# KiCad board armory.kicad_pcb (continued)
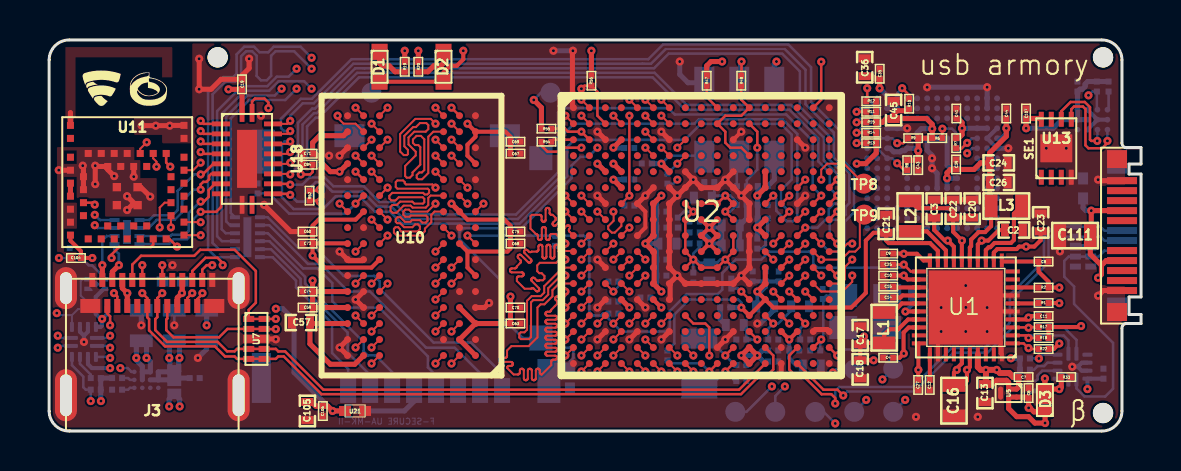
[diagram p0: board, top side]
## Routing (per net, layer and track width the routed paths; a pad name or vN(x,y) marks a point on that pad's centre or on a via; arc(x,y) is an arc through that point) (continued)
/DDR/DRAM_RESET_B: length 17.2
  TOP w0.1: U2.G4 v1(29.03,11.78)
  TOP w0.127: v1(29.03,11.78) v1(29.03,15.78) ; U10.T2 v1(20.13,16.18)
  SIGNAL_1 w0.127: 20.16,16.15 v1(20.13,16.18) 22.64,16.18 25.05,13.77 26.82,13.77 27.03,13.98 27.03,15.13 27.28,15.38 28.63,15.38 v1(29.03,15.78)
  BOTTOM w0.127: v1(29.03,11.78) 28.78,11.53 R50.1
/DDR/DRAM_SDBA0: length 34
  TOP w0.1: U10.M2 v1(20.93,12.18) ; U2.M1 25.51,7.38 25.18,7.05 25.18,6.74 24.78,6.34 24.59,6.34 24.43,6.18 24.43,4.69 23.99,4.25 23.13,4.25 22.91,4.03 22.91,3.76 22.91,3.74 22.9,3.72 22.89,3.7 22.87,3.68 22.85,3.67 22.83,3.66 22.81,3.66 22.72,3.66 22.7,3.66 22.68,3.65 22.66,3.64 22.64,3.62 22.63,3.6 22.62,3.58 22.62,3.56 22.62,3.54 22.63,3.52 22.64,3.5 22.66,3.48 22.68,3.47 22.7,3.46 22.72,3.46 23.1,3.46 23.12,3.46 23.14,3.45 23.16,3.44 23.18,3.42 23.19,3.4 23.2,3.38 23.2,3.36 23.2,3.34 23.19,3.32 23.18,3.3 23.16,3.28 23.14,3.27 23.12,3.26 23.1,3.26 23.01,3.26 22.99,3.26 22.97,3.25 22.95,3.24 22.93,3.22 22.92,3.2 22.91,3.18 22.91,3.16 23.24,2.83 23.45,2.83 23.47,2.83 23.49,2.84 23.51,2.85 23.53,2.87 23.54,2.89 23.55,2.91 23.55,2.93 23.55,3.02 23.55,3.04 23.56,3.06 23.57,3.08 23.59,3.1 23.61,3.11 23.63,3.12 23.65,3.12 23.67,3.12 23.69,3.11 23.71,3.1 23.73,3.08 23.74,3.06 23.75,3.04 23.75,3.02 23.75,2.64 23.75,2.62 23.76,2.6 23.77,2.58 23.79,2.56 23.81,2.55 23.83,2.54 23.85,2.54 23.87,2.54 23.89,2.55 23.91,2.56 23.93,2.58 23.94,2.6 23.95,2.62 23.95,2.64 23.95,3.02 23.95,3.04 23.96,3.06 23.97,3.08 23.99,3.1 24.01,3.11 24.03,3.12 24.05,3.12 24.07,3.12 24.09,3.11 24.11,3.1 24.13,3.08 24.14,3.06 24.15,3.04 24.15,3.02 24.15,2.64 24.15,2.62 24.16,2.6 24.17,2.58 24.19,2.56 24.21,2.55 24.23,2.54 24.25,2.54 24.27,2.54 24.29,2.55 24.31,2.56 24.33,2.58 24.34,2.6 24.35,2.62 24.35,2.64 24.35,3.02 24.35,3.04 24.36,3.06 24.37,3.08 24.39,3.1 24.41,3.11 24.43,3.12 24.45,3.12 24.47,3.12 24.49,3.11 24.51,3.1 24.53,3.08 24.54,3.06 24.55,3.04 24.55,3.02 24.55,2.93 24.55,2.91 24.56,2.89 24.57,2.87 24.59,2.85 24.61,2.84 24.63,2.83 24.65,2.83 25.12,3.3 25.12,3.47 25.12,3.49 25.13,3.51 25.14,3.53 25.16,3.55 25.18,3.56 25.2,3.57 25.22,3.57 25.31,3.57 25.33,3.57 25.35,3.58 25.37,3.59 25.39,3.61 25.4,3.63 25.41,3.65 25.41,3.67 25.41,3.69 25.4,3.71 25.39,3.73 25.37,3.75 25.35,3.76 25.33,3.77 25.31,3.77 24.93,3.77 24.91,3.77 24.89,3.78 24.87,3.79 24.85,3.81 24.84,3.83 24.83,3.85 24.83,3.87 24.83,3.89 24.84,3.91 24.85,3.93 24.87,3.95 24.89,3.96 24.91,3.97 24.93,3.97 25.31,3.97 25.33,3.97 25.35,3.98 25.37,3.99 25.39,4.01 25.4,4.03 25.41,4.05 25.41,4.07 25.41,4.09 25.4,4.11 25.39,4.13 25.37,4.15 25.35,4.16 25.33,4.17 25.31,4.17 24.93,4.17 24.91,4.17 24.89,4.18 24.87,4.19 24.85,4.21 24.84,4.23 24.83,4.25 24.83,4.27 24.83,4.29 24.84,4.31 24.85,4.33 24.87,4.35 24.89,4.36 24.91,4.37 24.93,4.37 25.31,4.37 25.33,4.37 25.35,4.38 25.37,4.39 25.39,4.41 25.4,4.43 25.41,4.45 25.41,4.47 25.41,4.49 25.4,4.51 25.39,4.53 25.37,4.55 25.35,4.56 25.33,4.57 25.31,4.57 24.93,4.57 24.91,4.57 24.89,4.58 24.87,4.59 24.85,4.61 24.84,4.63 24.83,4.65 24.83,4.67 24.83,4.69 24.84,4.71 24.85,4.73 24.87,4.75 24.89,4.76 24.91,4.77 24.93,4.77 25.31,4.77 25.33,4.77 25.35,4.78 25.37,4.79 25.39,4.81 25.4,4.83 25.41,4.85 25.41,4.87 25.41,4.89 25.4,4.91 25.39,4.93 25.37,4.95 25.35,4.96 25.33,4.97 25.31,4.97 24.93,4.97 24.91,4.97 24.89,4.98 24.87,4.99 24.85,5.01 24.84,5.03 24.83,5.05 24.83,5.07 24.83,5.09 24.84,5.11 24.85,5.13 24.87,5.15 24.89,5.16 24.91,5.17 24.93,5.17 25.31,5.17 25.33,5.17 25.35,5.18 25.37,5.19 25.39,5.21 25.4,5.23 25.41,5.25 25.41,5.27 25.41,5.29 25.4,5.31 25.39,5.33 25.37,5.35 25.35,5.36 25.33,5.37 25.31,5.37 24.93,5.37 24.91,5.37 24.89,5.38 24.87,5.39 24.85,5.41 24.84,5.43 24.83,5.45 24.83,5.47 24.83,5.49 24.84,5.51 24.85,5.53 24.87,5.55 24.89,5.56 24.91,5.57 24.93,5.57 25.31,5.57 25.33,5.57 25.35,5.58 25.37,5.59 25.39,5.61 25.4,5.63 25.41,5.65 25.41,5.67 25.41,5.69 25.4,5.71 25.39,5.73 25.37,5.75 25.35,5.76 25.33,5.77 25.31,5.77 24.93,5.77 24.91,5.77 24.89,5.78 24.87,5.79 24.85,5.81 24.84,5.83 24.83,5.85 24.83,5.87 24.83,5.89 24.84,5.91 24.85,5.93 24.87,5.95 24.89,5.96 24.91,5.97 24.93,5.97 25.02,5.97 25.04,5.97 25.06,5.98 25.08,5.99 25.1,6.01 25.11,6.03 25.12,6.05 25.12,6.07 25.41,6.36 25.42,6.37 25.43,6.39 25.44,6.42 25.44,6.44 25.43,6.46 25.42,6.48 25.41,6.5 25.34,6.56 25.33,6.58 25.32,6.6 25.32,6.62 25.32,6.64 25.32,6.67 25.33,6.69 25.34,6.7 25.36,6.72 25.38,6.73 25.4,6.73 25.43,6.73 25.45,6.73 25.47,6.72 25.49,6.7 25.55,6.64 25.57,6.63 25.59,6.62 25.61,6.61 25.63,6.61 25.65,6.62 25.67,6.63 25.69,6.64 25.83,6.78 v1(25.83,6.98)
  SIGNAL_2 w0.1: v1(20.93,12.18) 21.96,12.18 22.61,11.53 22.61,9.35 22.16,8.9 22.16,8.49 22.29,8.36 23.33,8.36 23.48,8.21 23.48,6.65 23.62,6.51 24.21,6.51 24.68,6.98 v1(25.83,6.98)
/DDR/DRAM_SDBA1: length 33.3
  TOP w0.1: U10.N8 v1(15.33,13.78) ; v1(25.83,10.98) U2.H1
  SIGNAL_2 w0.1: v1(25.83,10.98) 25.56,10.98 25.13,11.41 25.13,12.75 24.33,13.56 24.33,13.98 24.33,14.01 24.34,14.03 24.35,14.05 24.36,14.06 24.38,14.07 24.4,14.08 24.43,14.08 24.52,14.08 24.54,14.09 24.56,14.09 24.58,14.11 24.6,14.12 24.61,14.14 24.62,14.16 24.62,14.18 24.62,14.21 24.61,14.23 24.6,14.25 24.58,14.26 24.56,14.27 24.54,14.28 24.52,14.28 24.43,14.28 24.4,14.29 24.38,14.29 24.36,14.31 24.35,14.32 24.34,14.34 24.33,14.36 24.33,14.38 24.33,14.41 24.34,14.43 24.35,14.45 24.36,14.46 24.38,14.47 24.4,14.48 24.43,14.48 24.52,14.48 24.54,14.49 24.56,14.49 24.58,14.51 24.6,14.52 24.61,14.54 24.62,14.56 24.62,14.58 24.62,14.61 24.61,14.63 24.6,14.65 24.58,14.66 24.56,14.67 24.54,14.68 24.52,14.68 24.43,14.68 24.4,14.69 24.38,14.69 24.36,14.71 24.35,14.72 24.34,14.74 24.33,14.76 24.33,14.78 24.33,14.81 24.34,14.83 24.35,14.85 24.36,14.86 24.38,14.87 24.4,14.88 24.43,14.88 24.52,14.88 24.54,14.89 24.56,14.89 24.58,14.91 24.6,14.92 24.61,14.94 24.62,14.96 24.62,14.98 24.62,15.01 24.61,15.03 24.6,15.05 24.58,15.06 24.56,15.07 24.54,15.08 24.52,15.08 24.43,15.08 24.4,15.09 24.38,15.09 24.36,15.11 24.35,15.12 24.34,15.14 24.33,15.16 24.33,15.18 24.33,15.38 24.2,15.51 24.19,15.52 24.18,15.54 24.17,15.57 24.17,15.59 24.18,15.61 24.19,15.63 24.2,15.65 24.37,15.82 24.39,15.84 24.4,15.86 24.4,15.88 24.4,15.9 24.4,15.92 24.39,15.94 24.37,15.96 24.36,15.98 24.34,15.99 24.32,15.99 24.29,15.99 24.27,15.99 24.25,15.98 24.23,15.96 23.89,15.62 23.87,15.6 23.85,15.59 23.83,15.59 23.81,15.59 23.79,15.59 23.77,15.6 23.75,15.62 23.73,15.64 23.72,15.66 23.72,15.68 23.72,15.7 23.72,15.72 23.73,15.74 23.75,15.76 24.09,16.1 24.11,16.12 24.12,16.14 24.12,16.16 24.12,16.19 24.12,16.21 24.11,16.23 24.09,16.25 24.07,16.26 24.05,16.27 24.03,16.27 24.01,16.27 23.99,16.27 23.97,16.26 23.95,16.25 23.61,15.9 23.59,15.89 23.57,15.88 23.55,15.87 23.52,15.87 23.5,15.88 23.48,15.89 23.46,15.9 23.45,15.92 23.44,15.94 23.44,15.96 23.44,15.98 23.44,16 23.45,16.02 23.46,16.04 23.81,16.39 23.82,16.4 23.83,16.42 23.84,16.45 23.84,16.47 23.83,16.49 23.82,16.51 23.81,16.53 23.79,16.54 23.77,16.55 23.75,16.56 23.73,16.56 23.71,16.55 23.69,16.54 23.67,16.53 23.32,16.18 23.31,16.17 23.29,16.16 23.26,16.15 23.24,16.15 23.22,16.16 23.2,16.17 23.18,16.18 23.17,16.2 23.16,16.22 23.15,16.24 23.15,16.27 23.16,16.29 23.17,16.31 23.18,16.32 23.39,16.53 23.4,16.55 23.41,16.57 23.41,16.59 23.41,16.61 23.41,16.63 23.4,16.65 23.39,16.67 23.37,16.68 23.35,16.69 23.33,16.7 23.3,16.7 23.28,16.69 23.26,16.68 23.24,16.67 23.04,16.47 23.02,16.45 23,16.44 22.98,16.44 22.96,16.44 22.94,16.44 22.92,16.45 22.9,16.47 22.89,16.48 22.88,16.5 22.87,16.53 22.87,16.55 22.88,16.57 22.89,16.59 22.9,16.61 22.93,16.64 22.94,16.66 22.95,16.68 22.96,16.7 22.96,16.72 22.95,16.74 22.94,16.76 22.93,16.78 21.83,16.78 21.82,16.78 21.81,16.78 21.8,16.79 21.79,16.8 21.78,16.81 21.78,16.82 21.78,16.84 21.78,16.85 21.77,16.86 21.76,16.87 21.75,16.88 21.74,16.88 21.73,16.88 21.63,16.88 21.62,16.88 21.61,16.88 21.6,16.87 21.59,16.86 21.58,16.85 21.58,16.84 21.58,16.82 21.58,16.81 21.57,16.8 21.56,16.79 21.55,16.78 21.54,16.78 21.53,16.78 21.51,16.78 21.49,16.79 21.47,16.8 21.45,16.82 21.44,16.84 21.43,16.86 21.43,16.88 21.43,17.07 21.43,17.1 21.42,17.12 21.41,17.14 21.39,17.15 21.37,17.16 21.35,17.17 21.33,17.17 21.31,17.17 21.29,17.16 21.27,17.15 21.25,17.14 21.24,17.12 21.23,17.1 21.23,17.07 21.23,16.88 21.23,16.86 21.22,16.84 21.21,16.82 21.19,16.8 21.17,16.79 21.15,16.78 21.13,16.78 21.11,16.78 21.09,16.79 21.07,16.8 21.05,16.82 21.04,16.84 21.03,16.86 21.03,16.88 21.03,17.07 21.03,17.1 21.02,17.12 21.01,17.14 20.99,17.15 20.97,17.16 20.95,17.17 20.93,17.17 20.91,17.17 20.89,17.16 20.87,17.15 20.85,17.14 20.84,17.12 20.83,17.1 20.83,17.07 20.83,16.88 20.83,16.86 20.82,16.84 20.81,16.82 20.79,16.8 20.77,16.79 20.75,16.78 20.73,16.78 20.71,16.78 20.69,16.79 20.67,16.8 20.65,16.82 20.64,16.84 20.63,16.86 20.63,16.88 20.63,17.07 20.63,17.1 20.62,17.12 20.61,17.14 20.59,17.15 20.57,17.16 20.55,17.17 20.53,17.17 20.51,17.17 20.49,17.16 20.47,17.15 20.45,17.14 20.44,17.12 20.43,17.1 20.43,17.07 20.43,16.88 20.43,16.86 20.42,16.84 20.41,16.82 20.39,16.8 20.37,16.79 20.35,16.78 20.33,16.78 20.31,16.78 20.29,16.79 20.27,16.8 20.25,16.82 20.24,16.84 20.23,16.86 20.23,16.88 20.23,17.07 20.23,17.1 20.22,17.12 20.21,17.14 20.19,17.15 20.17,17.16 20.15,17.17 20.13,17.17 20.11,17.17 20.09,17.16 20.07,17.15 20.05,17.14 20.04,17.12 20.03,17.1 20.03,17.07 20.03,16.88 20.03,16.86 20.02,16.84 20.01,16.82 19.99,16.8 19.97,16.79 19.95,16.78 19.93,16.78 19.91,16.78 19.89,16.79 19.87,16.8 19.85,16.82 19.84,16.84 19.83,16.86 19.83,16.88 19.83,17.07 19.83,17.1 19.82,17.12 19.81,17.14 19.79,17.15 19.77,17.16 19.75,17.17 19.73,17.17 19.71,17.17 19.69,17.16 19.67,17.15 19.65,17.14 19.64,17.12 19.63,17.1 19.63,17.07 19.63,16.88 19.63,16.86 19.62,16.84 19.61,16.82 19.59,16.8 19.57,16.79 19.55,16.78 19.53,16.78 19.51,16.78 19.49,16.79 19.47,16.8 19.45,16.82 19.44,16.84 19.43,16.86 19.43,16.88 19.43,17.07 19.43,17.1 19.42,17.12 19.41,17.14 19.39,17.15 19.37,17.16 19.35,17.17 19.33,17.17 19.31,17.17 19.29,17.16 19.27,17.15 19.25,17.14 19.24,17.12 19.23,17.1 19.23,17.07 19.23,16.64 19.23,16.61 19.22,16.59 19.21,16.57 19.19,16.56 19.17,16.55 19.15,16.54 19.13,16.54 19.11,16.54 19.09,16.55 19.07,16.56 19.05,16.57 19.04,16.59 19.03,16.61 19.03,16.64 19.03,17.07 19.03,17.1 19.02,17.12 19.01,17.14 18.99,17.15 18.97,17.16 18.95,17.17 18.93,17.17 18.91,17.17 18.89,17.16 18.87,17.15 18.85,17.14 18.84,17.12 18.83,17.1 18.83,17.07 18.83,16.59 18.83,16.56 18.82,16.54 18.81,16.52 18.79,16.51 18.77,16.5 18.75,16.49 18.73,16.49 18.71,16.49 18.69,16.5 18.67,16.51 18.65,16.52 18.64,16.54 18.63,16.56 18.63,16.59 18.63,16.68 18.63,16.7 18.62,16.72 18.61,16.74 18.59,16.76 18.57,16.77 18.55,16.78 18.53,16.78 18.28,16.78 18.2,16.7 18.18,16.68 18.17,16.66 18.17,16.64 18.17,16.61 18.17,16.59 18.18,16.57 18.2,16.55 18.37,16.38 18.38,16.36 18.39,16.34 18.4,16.32 18.4,16.3 18.39,16.28 18.38,16.26 18.37,16.24 18.35,16.23 18.33,16.22 18.31,16.21 18.29,16.21 18.26,16.22 18.24,16.23 18.23,16.24 17.74,16.73 17.72,16.74 17.7,16.75 17.68,16.76 17.66,16.76 17.64,16.75 17.62,16.74 17.6,16.73 17.59,16.71 17.58,16.69 17.57,16.67 17.57,16.64 17.58,16.62 17.59,16.6 17.6,16.59 18.09,16.1 18.1,16.08 18.11,16.06 18.11,16.04 18.11,16.02 18.11,16 18.1,15.98 18.09,15.96 18.07,15.94 18.05,15.93 18.03,15.93 18,15.93 17.98,15.93 17.96,15.94 17.94,15.96 17.77,16.13 17.75,16.14 17.73,16.15 17.71,16.16 17.69,16.16 17.67,16.15 17.65,16.14 17.63,16.13 17.63,15.83 17.33,15.53 17.33,15.38 17.33,15.36 17.32,15.33 17.31,15.32 17.29,15.3 17.28,15.29 17.25,15.28 17.21,15.28 17.19,15.27 17.17,15.26 17.16,15.24 17.15,15.23 17.14,15.2 17.14,15.18 17.14,15.18 17.14,15.16 17.15,15.13 17.16,15.12 17.17,15.1 17.19,15.09 17.21,15.08 17.23,15.08 17.67,15.08 17.7,15.08 17.72,15.07 17.74,15.06 17.75,15.04 17.76,15.02 17.77,15 17.77,14.98 17.77,14.96 17.76,14.94 17.75,14.92 17.74,14.9 17.72,14.89 17.7,14.88 17.67,14.88 17.43,14.88 17.41,14.88 17.39,14.87 17.37,14.86 17.35,14.84 17.34,14.82 17.33,14.8 17.33,14.78 17.33,14.76 17.34,14.74 17.35,14.72 17.37,14.7 17.39,14.69 17.41,14.68 17.43,14.68 17.67,14.68 17.7,14.68 17.72,14.67 17.74,14.66 17.75,14.64 17.76,14.62 17.77,14.6 17.77,14.58 17.77,14.56 17.76,14.54 17.75,14.52 17.74,14.5 17.72,14.49 17.7,14.48 17.67,14.48 17.43,14.48 17.41,14.48 17.39,14.47 17.37,14.46 17.35,14.44 17.34,14.42 17.33,14.4 17.33,14.38 17.13,14.18 16.78,14.18 16.77,14.18 16.76,14.18 16.75,14.19 16.75,14.2 16.74,14.21 16.74,14.22 16.73,14.24 16.73,14.25 16.72,14.26 16.72,14.27 16.71,14.28 16.7,14.28 16.69,14.28 16.59,14.28 16.57,14.28 16.56,14.28 16.55,14.27 16.55,14.26 16.54,14.25 16.54,14.24 16.53,14.23 16.53,14.18 16.53,14.18 16.53,14.11 16.53,14.09 16.52,14.08 16.52,14.06 16.5,14.05 16.49,14.04 16.48,14.04 16.46,14.04 16.4,14.04 16.39,14.04 16.37,14.04 16.36,14.05 16.35,14.06 16.34,14.08 16.33,14.09 16.33,14.12 16.32,14.14 16.32,14.15 16.3,14.16 16.29,14.17 16.28,14.18 15.73,14.18 v1(15.33,13.78)
/DDR/DRAM_SDBA2: length 34
  TOP w0.1: v1(19.33,12.98) U10.M3 ; U2.K2 v1(26.63,8.58)
  SIGNAL_2 w0.1: v1(26.63,8.58) 26.33,8.58 25.93,8.18 25.72,8.18 25.47,7.93 25.47,7.57 25.28,7.38 24.51,7.38 24.2,7.07 23.97,7.07 23.88,7.16 23.88,7.34 24.01,7.47 24.24,7.47 24.35,7.58 25.14,7.58 25.25,7.69 25.25,7.82 25.17,7.9 24.99,7.9 24.87,7.78 24.27,7.78 24.16,7.67 24,7.67 23.88,7.79 23.88,7.98 23.98,8.08 24.19,8.08 24.28,7.99 24.79,7.99 24.9,8.1 25.13,8.1 25.26,8.23 25.26,8.36 25.16,8.46 24.88,8.46 24.7,8.28 23.98,8.28 23.8,8.45 23.8,8.57 23.89,8.66 24.02,8.66 24.2,8.48 24.61,8.48 24.78,8.65 24.78,8.81 24.66,8.93 24.52,8.93 24.38,8.79 24.19,8.79 24.1,8.88 23.82,8.88 23.7,8.76 23.12,8.76 23,8.88 23,9.01 23.1,9.11 23.25,9.11 23.39,8.97 23.61,8.97 23.73,9.09 24.18,9.09 24.23,9.04 24.34,9.04 24.47,9.17 24.47,9.31 24.36,9.42 24.18,9.42 24.06,9.3 23.65,9.3 23.6,9.25 23.4,9.25 23.33,9.32 23.1,9.32 23.01,9.41 23.01,9.54 23.12,9.65 23.23,9.65 23.38,9.5 23.91,9.5 24.02,9.61 24.02,9.76 23.93,9.85 23.76,9.85 23.63,9.72 23.47,9.72 23.33,9.86 23.17,9.86 23.01,10.02 23.01,11.72 22.15,12.58 21.32,12.58 21.13,12.77 20.27,12.77 19.89,12.39 19.89,11.73 19.77,11.61 19.77,11.12 19.61,10.96 18.72,10.96 18.6,10.84 18.3,10.84 18.13,11.01 17.87,11.01 17.48,11.4 17.48,11.62 17.89,12.03 17.89,12.31 18.05,12.47 18.05,12.95 18.28,13.18 18.49,13.18 18.69,12.98 v1(19.33,12.98)
/DDR/DRAM_SDCKE0: length 34.6
  TOP w0.1: U2.M3 v1(28.23,6.98) ; v1(14.53,11.38) U10.K9
  SIGNAL_2 w0.1: v1(14.53,11.38) 14.53,9.62 14.93,9.22 14.93,8.5 14.33,7.9 14.33,6.08 14.33,6.05 14.34,6.03 14.35,6.01 14.37,6 14.39,5.99 14.41,5.98 14.45,5.97 14.47,5.97 14.49,5.95 14.51,5.94 14.52,5.92 14.53,5.9 14.53,5.88 14.53,5.85 14.52,5.83 14.51,5.81 14.49,5.8 14.47,5.79 14.45,5.78 14.41,5.77 14.39,5.77 14.37,5.75 14.35,5.74 14.34,5.72 14.33,5.7 14.33,5.68 14.33,5.63 14.54,5.42 14.56,5.4 14.58,5.39 14.6,5.39 14.62,5.39 14.64,5.39 14.66,5.4 14.7,5.43 14.72,5.44 14.74,5.44 14.76,5.44 14.78,5.44 14.81,5.43 14.82,5.42 14.84,5.4 14.85,5.38 14.85,5.36 14.85,5.33 14.85,5.31 14.84,5.29 14.81,5.26 14.8,5.24 14.79,5.21 14.79,5.19 14.8,5.17 14.81,5.15 14.82,5.13 14.84,5.12 14.86,5.11 14.88,5.1 14.9,5.1 14.93,5.11 14.95,5.12 14.98,5.15 15,5.16 15.02,5.16 15.05,5.16 15.07,5.16 15.09,5.15 15.11,5.13 15.12,5.11 15.13,5.09 15.13,5.07 15.13,5.05 15.13,5.03 15.12,5.01 15.09,4.97 15.08,4.95 15.08,4.93 15.08,4.91 15.08,4.89 15.09,4.87 15.11,4.85 15.62,4.85 15.89,4.58 16.45,4.58 16.77,4.26 16.77,3.78 16.97,3.58 16.99,3.56 17.01,3.55 17.03,3.55 17.06,3.55 17.08,3.55 17.1,3.56 17.13,3.59 17.15,3.6 17.18,3.6 17.2,3.6 17.22,3.6 17.24,3.59 17.26,3.58 17.27,3.56 17.28,3.54 17.29,3.52 17.29,3.49 17.28,3.47 17.27,3.45 17.24,3.42 17.23,3.4 17.23,3.37 17.23,3.35 17.23,3.33 17.24,3.31 17.26,3.29 17.27,3.28 17.3,3.27 17.32,3.26 17.34,3.26 17.36,3.27 17.38,3.28 17.42,3.31 17.44,3.32 17.46,3.32 17.48,3.32 17.5,3.32 17.52,3.31 17.54,3.29 17.55,3.27 17.56,3.25 17.57,3.23 17.57,3.21 17.56,3.19 17.55,3.17 17.53,3.13 17.52,3.11 17.51,3.09 17.51,3.07 17.52,3.05 17.53,3.03 17.54,3.01 17.96,3.01 17.98,3.01 18,3.02 18.02,3.03 18.04,3.05 18.05,3.07 18.05,3.09 18.06,3.13 18.07,3.15 18.08,3.17 18.09,3.19 18.11,3.2 18.13,3.21 18.16,3.21 18.18,3.21 18.2,3.2 18.22,3.19 18.24,3.17 18.25,3.15 18.25,3.13 18.26,3.09 18.27,3.07 18.28,3.05 18.29,3.03 18.31,3.02 18.33,3.01 18.36,3.01 18.38,3.01 18.4,3.02 18.42,3.03 18.44,3.05 18.45,3.07 18.45,3.09 18.46,3.13 18.47,3.15 18.48,3.17 18.49,3.19 18.51,3.2 18.53,3.21 18.56,3.21 18.58,3.21 18.6,3.2 18.62,3.19 18.64,3.17 18.65,3.15 18.65,3.13 18.66,3.09 18.67,3.07 18.68,3.05 18.69,3.03 18.71,3.02 18.73,3.01 18.76,3.01 18.78,3.01 18.8,3.02 18.82,3.03 18.84,3.05 18.85,3.07 18.85,3.09 18.86,3.13 18.87,3.15 18.88,3.17 18.89,3.19 18.91,3.2 18.93,3.21 18.96,3.21 18.98,3.21 19,3.2 19.02,3.19 19.04,3.17 19.05,3.15 19.05,3.13 19.06,3.09 19.07,3.07 19.08,3.05 19.09,3.03 19.11,3.02 19.13,3.01 19.16,3.01 19.56,3.01 19.58,3.01 19.6,3.02 19.62,3.03 19.64,3.05 19.65,3.07 19.65,3.09 19.66,3.13 19.67,3.15 19.68,3.17 19.69,3.19 19.71,3.2 19.73,3.21 19.76,3.21 19.78,3.21 19.8,3.2 19.82,3.19 19.84,3.17 19.85,3.15 19.85,3.13 19.86,3.09 19.87,3.07 19.88,3.05 19.89,3.03 19.91,3.02 19.93,3.01 19.96,3.01 20.31,3.01 20.32,3.01 20.34,3.02 20.35,3.03 20.37,3.04 20.37,3.05 20.38,3.07 20.38,3.1 20.39,3.12 20.4,3.13 20.41,3.14 20.42,3.15 20.44,3.16 20.46,3.16 20.51,3.16 20.52,3.16 20.54,3.15 20.55,3.14 20.57,3.13 20.57,3.12 20.58,3.1 20.58,3.07 20.59,3.05 20.6,3.04 20.61,3.03 20.62,3.02 20.64,3.01 20.66,3.01 20.68,3.01 20.7,3.02 20.72,3.03 20.74,3.05 20.75,3.07 20.75,3.09 20.76,3.13 20.77,3.15 20.78,3.17 20.79,3.19 20.81,3.2 20.83,3.21 20.86,3.21 20.88,3.21 20.9,3.2 20.92,3.19 20.94,3.17 20.95,3.15 20.95,3.13 20.96,3.09 20.97,3.07 20.98,3.05 20.99,3.03 21.01,3.02 21.03,3.01 21.06,3.01 21.08,3.01 21.1,3.02 21.12,3.03 21.14,3.05 21.15,3.07 21.15,3.09 21.16,3.13 21.17,3.15 21.18,3.17 21.19,3.19 21.21,3.2 21.23,3.21 21.26,3.21 21.28,3.21 21.3,3.2 21.32,3.19 21.34,3.17 21.35,3.15 21.35,3.13 21.36,3.09 21.37,3.07 21.38,3.05 21.39,3.03 21.41,3.02 21.43,3.01 21.46,3.01 21.48,3.01 21.5,3.02 21.52,3.03 21.54,3.05 21.55,3.07 21.55,3.09 21.56,3.13 21.57,3.15 21.58,3.17 21.59,3.19 21.61,3.2 21.63,3.21 21.66,3.21 21.68,3.21 21.7,3.2 21.72,3.19 21.74,3.17 21.75,3.15 21.75,3.13 21.76,3.09 21.77,3.07 21.78,3.05 21.79,3.03 21.81,3.02 21.83,3.01 21.86,3.01 21.88,3.01 21.9,3.02 21.92,3.03 21.94,3.05 21.95,3.07 21.95,3.09 21.96,3.13 21.97,3.15 21.98,3.17 21.99,3.19 22.01,3.2 22.03,3.21 22.06,3.21 22.08,3.21 22.1,3.2 22.12,3.19 22.14,3.17 22.15,3.15 22.15,3.13 22.16,3.09 22.17,3.07 22.18,3.05 22.19,3.03 22.21,3.02 22.23,3.01 22.26,3.01 22.28,3.01 22.3,3.02 22.32,3.03 22.34,3.05 22.35,3.07 22.35,3.09 22.36,3.13 22.37,3.15 22.38,3.17 22.39,3.19 22.41,3.2 22.43,3.21 22.46,3.21 22.48,3.21 22.5,3.2 22.52,3.19 22.54,3.17 22.55,3.15 22.55,3.13 22.56,3.09 22.57,3.07 22.58,3.05 22.59,3.03 22.61,3.02 22.63,3.01 22.66,3.01 22.68,3.01 22.7,3.02 22.72,3.03 22.74,3.05 22.75,3.07 22.75,3.09 22.76,3.13 22.77,3.15 22.78,3.17 22.79,3.19 22.81,3.2 22.83,3.21 22.86,3.21 22.88,3.21 22.9,3.2 22.92,3.19 22.94,3.17 22.95,3.15 22.95,3.13 22.96,3.09 22.97,3.07 22.98,3.05 22.99,3.03 23.01,3.02 23.03,3.01 23.06,3.01 23.08,3.01 23.1,3.02 23.12,3.03 23.14,3.05 23.15,3.07 23.15,3.09 23.16,3.13 23.17,3.15 23.18,3.17 23.19,3.19 23.21,3.2 23.23,3.21 23.26,3.21 23.28,3.21 23.3,3.2 23.32,3.19 23.34,3.17 23.35,3.15 23.35,3.13 23.36,3.09 23.37,3.07 23.38,3.05 23.39,3.03 23.41,3.02 23.43,3.01 23.46,3.01 23.48,3.01 23.5,3.02 23.52,3.03 23.54,3.05 23.55,3.07 23.55,3.09 23.56,3.13 23.57,3.15 23.58,3.17 23.59,3.19 23.61,3.2 23.63,3.21 23.66,3.21 23.68,3.21 23.7,3.2 23.72,3.19 23.74,3.17 23.75,3.15 23.75,3.13 23.76,3.09 23.77,3.07 23.78,3.05 23.79,3.03 23.81,3.02 23.83,3.01 23.86,3.01 23.88,3.01 23.9,3.02 23.92,3.03 23.94,3.05 23.95,3.07 23.95,3.09 23.96,3.13 23.97,3.15 23.98,3.17 23.99,3.19 24.01,3.2 24.03,3.21 24.06,3.21 24.08,3.21 24.1,3.2 24.12,3.19 24.14,3.17 24.15,3.15 24.15,3.13 24.16,3.09 24.17,3.07 24.18,3.05 24.19,3.03 24.21,3.02 24.23,3.01 24.26,3.01 24.28,3.01 24.3,3.02 24.32,3.03 24.34,3.05 24.35,3.07 24.35,3.09 24.36,3.13 24.37,3.15 24.38,3.17 24.39,3.19 24.41,3.2 24.43,3.21 24.46,3.21 24.48,3.21 24.5,3.2 24.52,3.19 24.54,3.17 24.55,3.15 24.55,3.13 24.56,3.09 24.57,3.07 24.58,3.05 24.59,3.03 24.61,3.02 24.63,3.01 24.66,3.01 24.68,3.01 24.7,3.02 24.72,3.03 24.74,3.05 24.75,3.07 24.75,3.09 24.76,3.13 24.77,3.15 24.78,3.17 24.79,3.19 24.81,3.2 24.83,3.21 24.86,3.21 24.88,3.21 24.9,3.2 24.92,3.19 24.94,3.17 24.95,3.15 24.95,3.13 24.96,3.09 24.97,3.07 24.98,3.05 24.99,3.03 25.01,3.02 25.03,3.01 25.06,3.01 25.08,3.01 25.1,3.02 25.12,3.03 25.14,3.05 25.15,3.07 25.15,3.09 25.16,3.13 25.17,3.15 25.18,3.17 25.19,3.19 25.21,3.2 25.23,3.21 25.26,3.21 25.28,3.21 25.3,3.2 25.32,3.19 25.34,3.17 25.35,3.15 25.35,3.13 25.36,3.09 25.37,3.07 25.38,3.05 25.39,3.03 25.41,3.02 25.43,3.01 25.46,3.01 25.48,3.01 25.5,3.02 25.52,3.03 25.54,3.05 25.55,3.07 25.55,3.09 25.56,3.13 25.57,3.15 25.58,3.17 25.59,3.19 25.61,3.2 25.63,3.21 25.66,3.21 25.68,3.21 25.7,3.2 25.72,3.19 25.74,3.17 25.75,3.15 25.75,3.13 25.76,3.09 25.77,3.07 25.78,3.05 25.79,3.03 25.81,3.02 25.83,3.01 25.86,3.01 26.23,3.38 26.23,3.98 26.43,4.18 26.74,4.18 26.75,4.18 26.76,4.18 26.77,4.17 26.77,4.16 26.78,4.15 26.78,4.14 26.79,4.12 26.79,4.11 26.8,4.1 26.8,4.09 26.81,4.08 26.82,4.08 26.84,4.08 26.94,4.08 26.95,4.08 26.96,4.08 26.97,4.09 26.97,4.1 26.98,4.11 26.98,4.12 26.99,4.13 26.99,4.18 26.99,4.18 26.99,4.28 26.99,4.3 27,4.32 27.01,4.34 27.02,4.36 27.04,4.37 27.06,4.38 27.09,4.38 27.11,4.38 27.13,4.37 27.15,4.36 27.16,4.34 27.18,4.32 27.18,4.3 27.19,4.26 27.2,4.24 27.21,4.22 27.22,4.2 27.24,4.19 27.26,4.18 27.28,4.18 27.59,4.18 27.6,4.18 27.62,4.17 27.63,4.16 27.64,4.15 27.65,4.14 27.66,4.12 27.66,4.09 27.67,4.07 27.68,4.06 27.69,4.05 27.7,4.04 27.72,4.03 27.73,4.03 27.79,4.03 27.8,4.03 27.82,4.04 27.83,4.05 27.84,4.06 27.85,4.07 27.86,4.09 27.86,4.11 27.86,4.23 27.86,4.24 27.86,4.25 27.87,4.26 27.88,4.27 27.89,4.28 27.9,4.28 27.91,4.28 28.01,4.28 28.02,4.28 28.03,4.28 28.04,4.27 28.05,4.26 28.06,4.25 28.06,4.24 28.06,4.22 28.06,4.21 28.07,4.2 28.08,4.19 28.09,4.18 28.1,4.18 28.11,4.18 28.39,4.18 28.67,4.46 28.67,4.64 28.67,4.65 28.67,4.66 28.66,4.67 28.65,4.68 28.64,4.69 28.63,4.69 28.61,4.69 28.6,4.69 28.59,4.7 28.58,4.71 28.57,4.72 28.57,4.73 28.57,4.74 28.57,4.84 28.57,4.85 28.57,4.86 28.58,4.87 28.59,4.88 28.6,4.89 28.61,4.89 28.62,4.89 28.77,4.89 28.79,4.89 28.81,4.9 28.83,4.91 28.85,4.93 28.86,4.95 28.87,4.97 28.87,4.99 28.87,5.01 28.86,5.03 28.85,5.05 28.83,5.07 28.81,5.08 28.79,5.09 28.77,5.09 28.62,5.09 28.61,5.09 28.6,5.09 28.59,5.1 28.58,5.11 28.57,5.12 28.57,5.13 28.57,5.14 28.57,5.24 28.57,5.25 28.57,5.26 28.58,5.27 28.59,5.28 28.6,5.29 28.61,5.29 28.63,5.29 28.64,5.29 28.65,5.3 28.66,5.31 28.67,5.32 28.67,5.33 28.67,5.34 28.67,5.39 28.67,5.4 28.67,5.41 28.66,5.42 28.65,5.43 28.64,5.44 28.63,5.44 28.61,5.44 28.6,5.44 28.59,5.45 28.58,5.46 28.57,5.47 28.57,5.48 28.57,5.49 28.57,5.59 28.57,5.6 28.57,5.61 28.58,5.62 28.59,5.63 28.6,5.64 28.61,5.64 28.62,5.64 28.74,5.64 28.76,5.64 28.78,5.65 28.79,5.66 28.8,5.67 28.81,5.68 28.82,5.7 28.82,5.71 28.82,5.77 28.82,5.78 28.81,5.8 28.8,5.81 28.79,5.82 28.78,5.83 28.76,5.84 28.74,5.84 28.67,5.84 28.57,5.84 28.55,5.84 28.53,5.85 28.51,5.86 28.49,5.88 28.48,5.9 28.47,5.92 28.47,5.94 28.47,5.96 28.48,5.98 28.49,6 28.51,6.02 28.53,6.03 28.55,6.04 28.59,6.04 28.61,6.05 28.63,6.06 28.65,6.08 28.66,6.1 28.67,6.12 28.67,6.14 28.67,6.16 28.66,6.18 28.65,6.2 28.63,6.22 28.61,6.23 28.59,6.24 28.55,6.24 28.53,6.25 28.51,6.26 28.49,6.28 28.48,6.3 28.47,6.32 28.47,6.34 28.47,6.36 28.48,6.38 28.49,6.4 28.51,6.42 28.53,6.43 28.55,6.44 28.59,6.44 28.61,6.45 28.63,6.46 28.65,6.48 28.66,6.5 28.67,6.52 28.67,6.54 v1(28.23,6.98)
  BOTTOM w0.1: R31.1 28.48,7.23 v1(28.23,6.98)
/DDR/DRAM_SDCLK0_N: length 38.6
  TOP w0.1: v1(16.93,10.58) U10.K7 ; U2.P2 v1(26.63,5.38)
  TOP w0.127: v1(13.53,11.48) 13.48,11.53 R52.1
  SIGNAL_1 w0.1: v1(16.93,10.58) 16.57,10.22 14.79,10.22 v1(13.53,11.48)
  SIGNAL_2 w0.1: v1(16.93,10.58) 16.78,10.73 16.64,10.73 16.55,10.64 16.55,10.2 16.42,10.07 16,10.07 15.84,9.91 15.84,8.93 15.95,8.82 16.54,8.82 16.63,8.91 17.53,8.91 17.65,9.03 17.65,9.33 17.73,9.41 18.23,9.41 18.31,9.33 18.31,8.89 18.42,8.78 18.87,8.78 18.97,8.88 18.97,9.25 19.09,9.37 19.43,9.37 19.59,9.53 19.59,10.05 19.69,10.15 20.46,10.15 20.56,10.05 20.56,9.63 20.66,9.53 20.66,9.35 20.49,9.18 20.49,7.91 20.36,7.78 18.92,7.78 18.8,7.9 18.8,8.28 18.7,8.38 16.69,8.38 16.61,8.3 16.61,7.9 16.77,7.74 17.2,7.74 17.32,7.62 17.32,7.13 17.21,7.02 16.24,7.02 16.12,6.9 16.12,6.31 16.51,5.92 16.51,5.65 17.03,5.13 17.03,4.91 17.99,3.95 18.89,3.95 19.18,4.24 20.66,4.24 21.05,3.85 25.04,3.85 25.46,4.27 25.46,4.83 25.61,4.98 26.23,4.98 v1(26.63,5.38)
/DDR/DRAM_SDCLK0_P: length 38
  TOP w0.1: v1(25.83,5.38) U2.P1 ; U10.J7 v1(16.13,10.58)
  TOP w0.127: v1(13.53,12.08) 13.48,12.03 R52.2
  SIGNAL_1 w0.1: v1(13.53,12.08) 13.74,12.08 14.11,11.71 14.11,11.24 14.77,10.58 v1(16.13,10.58)
  SIGNAL_2 w0.1: v1(16.13,10.58) 16.5,10.95 17.08,10.95 17.29,10.74 17.29,10.4 17.04,10.15 16.78,10.15 16.45,9.82 16.2,9.82 16.04,9.66 16.04,9.15 16.15,9.04 16.37,9.04 16.45,9.12 17.35,9.12 17.45,9.22 17.45,9.41 17.65,9.61 18.31,9.61 18.51,9.41 18.51,9.06 18.56,9.01 18.71,9.01 18.77,9.07 18.77,9.33 19.01,9.57 19.23,9.57 19.39,9.73 19.39,10.13 19.61,10.35 20.88,10.35 21.3,9.93 21.3,9.58 21.13,9.41 21,9.41 20.69,9.1 20.69,7.44 20.23,6.98 19.18,6.98 18.91,7.25 18.91,7.51 18.6,7.82 18.6,8.02 18.44,8.18 17.41,8.18 17.29,8.06 17.29,7.93 17.52,7.7 17.52,7.05 17.29,6.82 16.5,6.82 16.32,6.64 16.32,6.39 16.71,6 16.71,5.73 17.23,5.21 17.23,4.99 18.07,4.15 18.81,4.15 19.1,4.44 20.74,4.44 21.13,4.05 24.96,4.05 25.26,4.35 25.26,4.92 25.72,5.38 v1(25.83,5.38)
/DDR/DRAM_SDODT0: length 34
  TOP w0.1: U2.N1 v1(25.83,6.18) ; v1(21.73,11.38) U10.K1
  SIGNAL_2 w0.1: v1(25.83,6.18) 25.52,5.87 25.5,5.86 25.48,5.85 25.46,5.84 25.44,5.84 25.42,5.85 25.4,5.86 25.38,5.87 25.06,6.19 25.04,6.2 25.02,6.21 25,6.22 24.98,6.22 24.96,6.21 24.94,6.2 24.92,6.19 24.91,6.17 24.9,6.15 24.89,6.13 24.89,6.1 24.9,6.08 24.91,6.06 24.92,6.04 25.24,5.73 25.25,5.71 25.26,5.69 25.27,5.67 25.27,5.65 25.26,5.62 25.25,5.6 25.24,5.59 24.86,5.21 24.86,5.19 24.85,5.17 24.84,5.15 24.82,5.13 24.8,5.12 24.78,5.11 24.76,5.11 24.31,5.11 24.29,5.11 24.27,5.1 24.25,5.09 24.23,5.07 24.22,5.05 24.22,5.03 24.21,5.01 24.22,4.99 24.22,4.97 24.23,4.95 24.25,4.93 24.27,4.92 24.29,4.91 24.31,4.91 24.76,4.91 24.78,4.91 24.8,4.9 24.82,4.89 24.84,4.87 24.85,4.85 24.86,4.83 24.86,4.81 24.86,4.58 24.73,4.45 24.71,4.45 24.7,4.46 24.68,4.47 24.67,4.48 24.66,4.49 24.66,4.51 24.65,4.54 24.65,4.56 24.64,4.57 24.63,4.58 24.61,4.59 24.6,4.6 24.58,4.6 24.53,4.6 24.51,4.6 24.5,4.59 24.48,4.58 24.47,4.57 24.46,4.56 24.46,4.54 24.45,4.51 24.45,4.49 24.44,4.48 24.43,4.47 24.41,4.46 24.4,4.45 24.38,4.45 24.33,4.45 24.31,4.45 24.3,4.46 24.28,4.47 24.27,4.48 24.26,4.49 24.26,4.51 24.25,4.54 24.25,4.56 24.24,4.57 24.23,4.58 24.21,4.59 24.2,4.6 24.18,4.6 24.13,4.6 24.11,4.6 24.1,4.59 24.08,4.58 24.07,4.57 24.06,4.56 24.06,4.54 24.05,4.51 24.05,4.49 24.04,4.48 24.03,4.47 24.01,4.46 24,4.45 23.98,4.45 23.93,4.45 23.91,4.45 23.89,4.46 23.87,4.47 23.85,4.49 23.84,4.51 23.83,4.53 23.83,4.55 23.83,5 23.83,5.02 23.82,5.04 23.81,5.06 23.79,5.08 23.77,5.09 23.75,5.09 23.73,5.1 23.71,5.09 23.69,5.09 23.67,5.08 23.65,5.06 23.64,5.04 23.63,5.02 23.63,5 23.63,4.55 23.63,4.53 23.62,4.51 23.61,4.49 23.59,4.47 23.57,4.46 23.55,4.45 23.53,4.45 23.51,4.45 23.49,4.46 23.47,4.47 23.45,4.49 23.44,4.51 23.43,4.53 23.43,4.55 23.43,5 23.43,5.02 23.42,5.04 23.41,5.06 23.39,5.08 23.37,5.09 23.35,5.09 23.33,5.1 23.31,5.09 23.29,5.09 23.27,5.08 23.25,5.06 23.24,5.04 23.23,5.02 23.23,5 23.23,4.55 23.23,4.53 23.22,4.51 23.21,4.49 23.19,4.47 23.17,4.46 23.15,4.45 23.13,4.45 23.11,4.45 23.09,4.46 23.07,4.47 23.05,4.49 23.04,4.51 23.03,4.53 23.03,4.55 23.03,5 23.03,5.02 23.02,5.04 23.01,5.06 22.99,5.08 22.97,5.09 22.95,5.09 22.93,5.1 22.91,5.09 22.89,5.09 22.87,5.08 22.85,5.06 22.84,5.04 22.83,5.02 22.83,5 22.83,4.55 22.83,4.53 22.82,4.51 22.81,4.49 22.79,4.47 22.77,4.46 22.75,4.45 22.73,4.45 22.71,4.45 22.69,4.46 22.67,4.47 22.65,4.49 22.64,4.51 22.63,4.53 22.63,4.55 22.63,5 22.63,5.02 22.62,5.04 22.61,5.06 22.59,5.08 22.57,5.09 22.55,5.09 22.53,5.1 22.51,5.09 22.49,5.09 22.47,5.08 22.45,5.06 22.44,5.04 22.43,5.02 22.43,5 22.43,4.55 22.43,4.53 22.42,4.51 22.41,4.49 22.39,4.47 22.37,4.46 22.35,4.45 22.33,4.45 22.31,4.45 22.29,4.46 22.27,4.47 22.25,4.49 22.24,4.51 22.23,4.53 22.23,4.55 22.23,5 22.23,5.02 22.22,5.04 22.21,5.06 22.19,5.08 22.17,5.09 22.15,5.09 22.13,5.1 22.11,5.09 22.09,5.09 22.07,5.08 22.05,5.06 22.04,5.04 22.03,5.02 22.03,5 22.03,4.55 22.03,4.53 22.02,4.51 22.01,4.49 21.99,4.47 21.97,4.46 21.95,4.45 21.93,4.45 21.91,4.45 21.89,4.46 21.87,4.47 21.85,4.49 21.84,4.51 21.83,4.53 21.83,4.55 21.83,5 21.83,5.02 21.82,5.04 21.81,5.06 21.79,5.08 21.77,5.09 21.75,5.09 21.73,5.1 21.71,5.09 21.69,5.09 21.67,5.08 21.65,5.06 21.64,5.04 21.63,5.02 21.63,5 21.63,4.55 21.63,4.53 21.62,4.51 21.61,4.49 21.59,4.47 21.57,4.46 21.55,4.45 21.53,4.45 21.31,4.45 21.21,4.56 21.19,4.57 21.18,4.59 21.18,4.62 21.18,4.64 21.18,4.66 21.19,4.68 21.21,4.7 21.28,4.77 21.29,4.78 21.3,4.8 21.3,4.83 21.3,4.85 21.3,4.87 21.29,4.89 21.28,4.91 21.26,4.92 21.24,4.93 21.22,4.94 21.19,4.94 21.17,4.93 21.15,4.92 21.13,4.91 21.07,4.84 21.05,4.82 21.03,4.82 21.01,4.81 20.98,4.81 20.96,4.82 20.94,4.82 20.92,4.84 20.76,5 20.76,5.17 20.75,5.19 20.74,5.21 20.73,5.23 20.73,5.25 20.74,5.28 20.75,5.3 20.76,5.31 21.08,5.63 21.09,5.65 21.1,5.67 21.11,5.69 21.11,5.71 21.1,5.73 21.09,5.75 21.08,5.77 21.06,5.79 21.04,5.8 21.02,5.8 20.99,5.8 20.97,5.8 20.95,5.79 20.93,5.77 20.62,5.46 20.6,5.44 20.58,5.43 20.56,5.43 20.54,5.43 20.51,5.43 20.49,5.44 20.48,5.46 20.17,5.76 20.17,6.26 20.19,6.27 20.21,6.28 20.23,6.29 20.25,6.29 20.27,6.28 20.29,6.27 20.31,6.26 20.56,6.01 20.57,6 20.59,5.99 20.62,5.98 20.64,5.98 20.66,5.99 20.68,6 20.7,6.01 20.71,6.03 20.72,6.05 20.73,6.07 20.73,6.09 20.72,6.12 20.71,6.14 20.7,6.15 20.45,6.4 20.44,6.42 20.43,6.44 20.42,6.46 20.42,6.48 20.43,6.5 20.44,6.52 20.45,6.54 20.47,6.55 20.49,6.56 20.51,6.57 20.53,6.57 20.56,6.56 20.58,6.55 20.59,6.54 20.91,6.22 20.93,6.21 20.95,6.2 20.97,6.19 20.99,6.19 21.01,6.2 21.03,6.21 21.05,6.22 21.07,6.24 21.08,6.26 21.08,6.28 21.08,6.31 21.08,6.33 21.07,6.35 21.05,6.37 20.74,6.68 20.72,6.7 20.71,6.72 20.71,6.74 20.71,6.76 20.71,6.79 20.72,6.81 20.74,6.82 21.1,7.19 21.1,7.21 21.11,7.23 21.12,7.25 21.14,7.27 21.16,7.28 21.18,7.28 21.2,7.29 21.65,7.29 21.67,7.29 21.69,7.3 21.71,7.31 21.73,7.32 21.74,7.34 21.74,7.36 21.75,7.39 21.74,7.41 21.74,7.43 21.73,7.45 21.71,7.47 21.69,7.48 21.67,7.48 21.65,7.49 21.2,7.49 21.18,7.49 21.16,7.5 21.14,7.51 21.12,7.52 21.11,7.54 21.1,7.56 21.1,7.59 21.1,7.61 21.11,7.63 21.12,7.65 21.14,7.67 21.16,7.68 21.18,7.68 21.2,7.69 21.65,7.69 21.67,7.69 21.69,7.7 21.71,7.71 21.73,7.72 21.74,7.74 21.74,7.76 21.75,7.79 21.74,7.81 21.74,7.83 21.73,7.85 21.71,7.87 21.69,7.88 21.67,7.88 21.65,7.89 21.2,7.89 21.18,7.89 21.16,7.9 21.14,7.91 21.12,7.92 21.11,7.94 21.1,7.96 21.1,7.99 21.1,8.01 21.11,8.03 21.12,8.05 21.14,8.07 21.16,8.08 21.18,8.08 21.2,8.09 21.65,8.09 21.67,8.09 21.69,8.1 21.71,8.11 21.73,8.12 21.74,8.14 21.74,8.16 21.75,8.19 21.74,8.21 21.74,8.23 21.73,8.25 21.71,8.27 21.69,8.28 21.67,8.28 21.65,8.29 21.2,8.29 21.18,8.29 21.16,8.3 21.14,8.31 21.12,8.32 21.11,8.34 21.1,8.36 21.1,8.39 21.1,8.75 21.12,8.76 21.14,8.77 21.16,8.78 21.18,8.78 21.2,8.77 21.22,8.76 21.24,8.75 21.35,8.65 21.36,8.63 21.38,8.62 21.41,8.62 21.43,8.62 21.45,8.62 21.47,8.63 21.49,8.65 21.5,8.66 21.51,8.68 21.52,8.71 21.52,8.73 21.51,8.75 21.5,8.77 21.49,8.79 21.38,8.89 21.37,8.91 21.36,8.93 21.35,8.95 21.35,8.97 21.36,9 21.37,9.02 21.38,9.03 21.7,9.35 21.7,9.37 21.71,9.39 21.72,9.41 21.74,9.43 21.76,9.44 21.78,9.45 21.8,9.45 22.05,9.45 22.07,9.45 22.09,9.46 22.11,9.47 22.13,9.49 22.14,9.51 22.14,9.53 22.15,9.55 22.14,9.57 22.14,9.59 22.13,9.61 22.11,9.63 22.09,9.64 22.07,9.65 22.05,9.65 21.8,9.65 21.78,9.65 21.76,9.66 21.74,9.67 21.72,9.69 21.71,9.71 21.7,9.73 21.7,9.75 21.7,10.1 21.69,10.11 21.68,10.13 21.67,10.16 21.67,10.18 21.68,10.2 21.69,10.22 21.7,10.24 22.02,10.55 22.03,10.57 22.04,10.59 22.05,10.61 22.05,10.64 22.04,10.66 22.03,10.68 22.02,10.69 22,10.71 21.98,10.72 21.96,10.72 21.93,10.72 21.91,10.72 21.89,10.71 21.87,10.69 21.56,10.38 21.54,10.36 21.52,10.35 21.5,10.35 21.48,10.35 21.45,10.35 21.43,10.36 21.42,10.38 21.18,10.62 21.18,11.11 21.45,11.38 v1(21.73,11.38)